# KiCad board Riptide.kicad_pcb (continued)
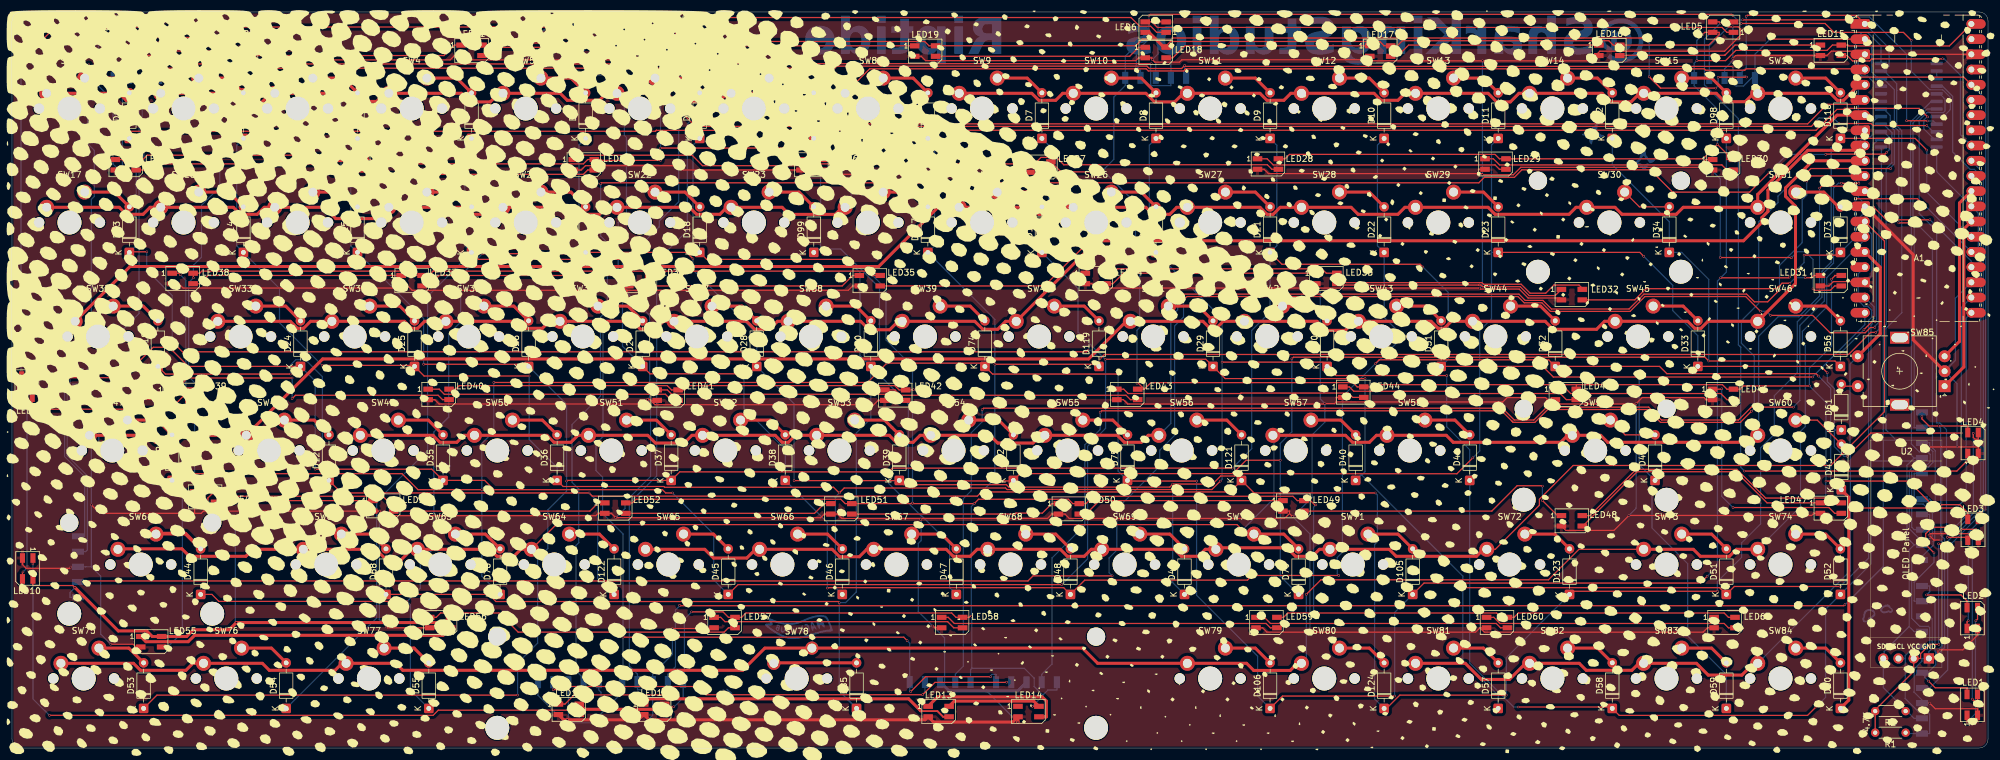
[diagram p0: board, top side]
## Routing (per net, layer and track width the routed paths; a pad name or vN(x,y) marks a point on that pad's centre or on a via; arc(x,y) is an arc through that point) (continued)
Column 9: length 365.3
  Top w0.2: v1(216.16,25.68) 218.59,28.11 256.59,28.11 261.69,33.21 SW73.1 ; A1.15 A1.15
  Top w0.5: SW73.1 280.79,33.21 281.96,32.04 286.82,32.04 287.99,33.21 SW74.1 ; SW75.1 20.29,14.16 21.46,12.99 29.05,12.99 30.22,14.16 SW76.1 41.81,14.16 42.98,12.99 53.95,12.99 55.12,14.16 SW77.1 64.09,14.16 65.26,12.99 122.02,12.99 125.73,16.7 SW78.1 178.77,16.7 181.31,14.16 SW79.1 206.18,14.16 207.37,12.97 213.47,12.97 214.66,14.16 SW80.1
  Bottom w0.2: v1(216.16,25.68) 216.16,14.98 SW80.1 ; A1.15 309.44,84.98 303.07,78.62 303.07,73.69 299,69.62 299,67.74 299.49,67.25 299.49,53.73 298.69,52.93 298.69,40.35 SW74.1
Column 10: length 141.1
  Top w0.2: A1.16 A1.16
  Top w0.5: SW81.1 242.69,14.16 245.38,11.47 250.07,11.47 252.76,14.16 SW82.1 261.74,14.16 262.91,12.99 270.52,12.99 271.69,14.16 SW83.1 281.31,14.16 283.28,12.19 288.89,12.19 290.86,14.16 SW84.1 ; SW85.S1 312,69.22 312,80.34 A1.16
  Bottom w0.2: SW85.S1 306.95,64.16 306.95,49.03 307.02,48.96 307.02,29.64 SW84.1
EN 1: length 110
  Bottom w0.2: 319.51,10.04 318.96,10.04 H1.2 319.51,10.04 ; 319.51,10.04 320.26,10.04 323.26,13.03 323.26,34.55 325.03,36.32 325.03,36.73 328.8,40.5 328.8,87.06 ; 328.8,87.06 328.79,87.07 ; 328.8,87.06 328.79,87.07 ; 328.79,87.07 328.79,95.61 327.71,96.7 327.02,96.7 324.1,99.62 324.1,108.89 322.39,110.59 U1.4
EN 2: length 97.3
  Top w0.2: v1(320.98,32.61) 319.59,34 319.59,35.8 320.67,36.89 v1(323.06,36.89)
  Bottom w0.2: U1.5 321.92,109.33 322.81,108.43 322.81,106.47 322.53,106.18 319.78,106.18 318.5,104.9 318.5,89.35 321.41,86.43 321.41,54.33 321.95,54.33 323.06,53.21 v1(323.06,36.89) ; H2.2 317.66,24.54 317.66,27.72 320.98,31.03 v1(320.98,32.61)
EN 3: length 88.9
  Bottom w0.2: U1.6 320.52,108.06 317.06,104.6 317.06,87.38 317.2,87.24 317.2,50.8 318.51,49.49 319.92,49.49 320.34,49.07 320.34,47.82 319.9,47.39 317.91,47.39 316.86,46.34 316.86,36.65 318.48,35.02 320.29,35.02 320.69,35.42 320.69,36.91 320.26,37.33 320.26,39.04 319.51,39.04 ; 319.51,39.04 H3.2 319.51,39.04
EN 4: length 57.2
  Bottom w0.2: U1.7 319.81,106.78 317.46,104.44 317.46,87.55 317.66,87.35 317.66,53.54 H4.2
EN 5: length 60.1
  Top w0.2: v1(317.18,118.28) 315.88,119.58 304.28,119.58 302.79,121.08 v1(288.78,121.08)
  Bottom w0.2: v1(317.18,118.28) 317.18,113.12 320.3,109.99 322.42,109.99 323.7,108.72 323.7,106.67 322.54,105.52 U1.8 ; H5.2 283.46,117.34 287.2,121.08 v1(288.78,121.08)
EN 6: length 157.7
  Top w0.2: v1(319.86,104.78) 319.82,104.83 v1(316.4,104.83) ; v1(289.03,121.68) 306.46,121.68 v1(306.71,121.93) ; v1(189.87,122.38) 190.09,122.6 287.19,122.6 v1(287.42,122.38)
  Bottom w0.2: v1(319.86,104.78) 320.88,104.78 U1.9 ; v1(306.71,121.93) 306.94,122.16 310.2,122.16 316.4,115.96 v1(316.4,104.83) ; v1(289.03,121.68) 288.11,121.68 v1(287.42,122.38) ; v1(189.87,122.38) 189.87,118.49 187.77,116.39 187.77,113.98 188.46,113.3 H6.2
EN 7: length 218.1
  Top w0.2: v1(111.71,106.32) 114.15,103.88 300.5,103.88 v1(301.32,104.69) ; v1(319.79,104.02) 310.8,104.02 310.46,104.35 v1(305.12,104.35)
  Bottom w0.2: H7.2 111.96,110.69 111.71,110.45 v1(111.71,106.32) ; v1(301.32,104.69) 301.32,104.85 301.76,105.29 304.18,105.29 v1(305.12,104.35) ; U1.10 320.83,102.97 v1(319.79,104.02)
EN 8: length 318.3
  Top w0.2: 305.92,106.72 306.08,106.89 ; 305.92,106.72 306.08,106.89 ; 305.92,106.72 304.77,106.72 301.28,103.23 145.29,103.23 ; 306.08,106.89 318.5,106.89 v1(319.92,105.46) ; 107.61,103.23 107.64,103.21 145.26,103.21 ; 107.61,103.23 107.44,103.07 ; 107.61,103.23 107.44,103.07 ; 107.44,103.07 19.55,103.07 v1(18.08,104.55) ; 145.26,103.21 145.29,103.23 ; 145.26,103.21 145.29,103.23
  Bottom w0.2: v1(319.92,105.46) 319.8,105.46 319.28,104.94 319.28,103.45 321.02,101.7 U1.11 ; v1(18.08,104.55) 17.27,105.35 17.27,111 16.96,111.31 H8.2
EN 9: length 343.2
  Top w0.2: v1(9.73,61.88) 18.51,61.88 23.6,66.97 27.71,66.97 28.48,66.21 179.45,66.21 v1(179.72,66.47) ; v1(181.69,65.02) 182.44,65.77 306.71,65.77 310.4,69.46 v1(311.25,69.46)
  Bottom w0.2: H9.2 9.7,57.89 9.7,61.85 v1(9.73,61.88) ; v1(311.25,69.46) 311.8,70 311.8,70.41 312.2,70.82 312.2,100.36 U1.13 ; v1(181.69,65.02) 180.24,66.47 v1(179.72,66.47)
EN 10: length 378.2
  Top w0.2: v1(293.68,72.3) 300.72,72.3 303.62,69.39 309.48,69.39 310.36,70.27 v1(311.1,70.27) ; v1(195.65,74.87) 196.22,75.45 251.5,75.45 252.55,74.4 255.49,74.4 256.92,72.97 270.22,72.97 272.7,75.45 289.52,75.45 v1(291.98,72.99) ; v1(12.3,27.75) 12.68,27.75 12.85,27.92 169.67,27.92 170.52,28.77 v1(183.73,28.77)
  Bottom w0.2: v1(293.68,72.3) 292.99,72.99 v1(291.98,72.99) ; U1.14 311.7,101.7 310.8,100.8 310.8,92.53 311.8,91.53 311.8,71.18 311.1,70.49 v1(311.1,70.27) ; v1(183.73,28.77) 183.21,29.29 183.21,31.77 184.51,33.07 184.51,39.95 191.68,47.12 191.68,49.77 194.16,52.24 194.16,70.53 195.65,72.02 v1(195.65,74.87) ; v1(12.3,27.75) H10.2
EN 11: length 311.9
  Top w0.2: v1(293.44,96.15) 290.18,92.89 277.35,92.89 273.61,96.63 252.16,96.63 250.9,95.37 245.89,95.37 244.97,94.45 98.47,94.45 v1(98.31,94.29) ; v1(302.89,99.2) 302.93,99.24 312.78,99.24 v1(313.1,99.57)
  Bottom w0.2: H11.2 95.46,11.65 94.19,12.92 94.19,33.84 94.66,34.31 94.66,43.27 93.53,44.4 93.53,54.07 98.29,58.82 98.29,72.01 99.44,73.17 99.44,84.43 98.31,85.55 v1(98.31,94.29) ; v1(313.1,99.57) 313.51,99.98 313.51,102.05 312.59,102.97 U1.15 ; v1(293.44,96.15) 296.49,99.2 v1(302.89,99.2)
EN 12: length 292.9
  Top w0.2: v1(111.5,23.85) 111.57,23.78 305.92,23.78 v1(306.1,23.97)
  Bottom w0.2: v1(111.5,23.85) 111.5,23.76 110.8,23.06 110.8,13.6 109.54,12.34 H12.2 ; v1(306.1,23.97) 306.15,23.97 312.5,30.32 312.5,70.26 312.98,70.74 312.98,96.81 313.95,97.78 313.95,102.83 312.53,104.25 U1.16
EN 13: length 244
  Top w0.2: v1(297.5,56.97) 290.47,56.97 288.31,54.81 275.48,54.81 273.33,56.97 256.3,56.97 254.14,54.81 250.88,54.81 248.9,56.79 162.27,56.79 v1(162.02,56.53) ; v1(308.43,94.37) 308.43,94.37 305.54,94.37 305.52,94.39 v1(305.52,94.39)
  Bottom w0.2: v1(308.43,94.37) 308.43,94.97 308.33,95.07 308.33,101.14 309.21,102.01 310.23,102.01 310.67,102.46 310.67,104.51 311.67,105.52 U1.17 ; v1(297.5,56.97) 297.5,57 298.57,58.08 298.57,70.62 302.67,74.72 302.67,79.51 304.2,81.04 304.2,93.57 305.02,94.39 v1(305.52,94.39) ; H13.2 157.54,12.34 158.87,13.67 158.87,41.67 160.2,43 160.2,52.69 162.02,54.51 v1(162.02,56.53)
EN 14: length 233.2
  Top w0.2: v1(299.56,95.99) 300.42,96.84 v1(313.72,96.84) ; v1(181.72,56.11) 181.96,56.35 248.77,56.35 250.48,54.65 250.71,54.41 251.04,54.41 254.31,54.41 256.47,56.57 273.16,56.57 275.32,54.41 288.62,54.41 v1(290.5,56.29) 290.44,56.35
  Bottom w0.2: v1(313.72,96.84) 313.7,96.86 313.7,96.96 314.35,97.61 314.35,103.26 313.67,103.93 313.67,105.7 312.59,106.78 U1.18 ; H14.2 171.96,12.3 173.69,14.03 173.69,31.77 179.17,37.25 179.17,50.67 181.72,53.22 v1(181.72,56.11) ; v1(299.56,95.99) 298.68,95.99 294.93,92.24 294.93,91.16 291.7,87.94 291.7,74.3 288.81,71.4 288.81,67.64 290.96,65.49 290.96,56.75 v1(290.5,56.29)
Encoder A: length 30.2
  Top w0.2: A1.27 A1.27
  Top w0.5: A1.27 325.96,86.72 325.96,63.68 SW85.A
Encoder B: length 31.4
  Top w0.2: A1.29 327.19,92.24 326.39,92.24
  Top w0.5: A1.29 326.39,92.24 325.23,91.08 325.23,67.95 SW85.B
Encoder SW 2: length 3.8
  Top w0.2: D61.2 305.81,60.47 SW85.S2
  Bottom w0.2: SW85.S2 307.35,60.47
LED Glow Data: length 34.9
  Top w0.2: v1(322.42,115.17) 310.54,115.17 310.54,115.11 310.25,114.81 307.38,114.81 306.47,115.72 LED15.3 ; A1.32 A1.32
  Bottom w0.2: v1(322.42,115.17) 322.66,115.17 325.39,112.43 325.39,102.5 A1.32
LED Indicator Data: length 97.9
  Top w0.2: v1(327.97,36.54) 325.56,36.54 v1(325.53,36.52) ; LED1.3 328.25,7.87 327.68,7.87 v1(327.38,8.17) ; A1.31 A1.31
  Bottom w0.2: v1(327.38,8.17) 327.38,35.95 v1(327.97,36.54) ; A1.31 329.21,96.14 329.21,40.2 v1(325.53,36.52)
Row 0: length 536.5
  Top w0.2: v1(22.53,82.92) 19.7,82.92 D13.1 ; D24.1 29.46,63.77 v1(26.75,66.47) ; v1(242.29,26.67) 242.42,26.8 285.17,26.8 D51.1 287.63,27 v1(305.34,27) ; v1(175.31,27.31) 121.25,27.31 D45.1 ; v1(182.56,64.97) 199.38,64.97 D29.1 202.6,61.74 v1(225.96,61.74) ; v1(50.62,46.6) 70.11,46.6 D35.1 78.94,44.72 80.48,43.18 108.62,43.18 109.17,42.62 v1(110.3,42.62) ; A1.17 A1.17
  Bottom w0.2: v1(50.62,46.6) 50.62,61.32 D24.1 ; D7.1 173.13,100.73 173.13,83.95 D19.1 178.03,76.79 178.03,69.5 v1(182.56,64.97) 182.63,64.9 182.63,53.42 179.62,50.41 179.62,31.62 v1(175.31,27.31) ; 225.41,45.62 225.29,45.62 D40.1 ; 225.41,45.62 242.29,28.73 v1(242.29,26.67) 242.29,14.7 248.2,8.79 D57.1 ; 225.41,45.62 225.96,46.17 v1(225.96,61.74) ; A1.17 308.31,79.24 308.31,74.8 309.28,73.84 309.89,73.84 310.57,73.16 310.57,71.97 310.06,71.46 310.06,31.72 v1(305.34,27) ; D1.1 20.73,100.73 20.73,83.95 D13.1 ; D45.1 117.2,28.08 117.2,35.73 v1(110.3,42.62) ; v1(22.53,82.92) 22.5,82.89 22.5,79.88 26.75,75.63 v1(26.75,66.47)
Row 1: length 516.2
  Top w0.2: v1(239.6,62.23) 239.59,62.24 221.15,62.24 D30.1 218.91,64.48 v1(202.09,64.48) ; v1(86.37,62.17) 68.82,62.17 D25.1 67.05,63.94 v1(51.81,63.94) ; v1(251.53,6.85) 267.01,6.85 D58.1 268.42,5.45 299.86,5.45 v1(301.26,6.85) ; A1.19 A1.19 ; D36.1 92.05,43.7 108.86,43.7 108.99,43.58 137.19,43.58 v1(138.15,42.62) 138.98,43.45 165.92,43.45 166.17,43.2 200.39,43.2 v1(201.8,44.61)
  Bottom w0.2: v1(86.37,62.17) 86.37,51.58 91.04,46.91 D36.1 ; D46.1 137.52,26.81 137.52,42 v1(138.15,42.62) ; v1(301.26,6.85) 302.87,8.46 302.87,23.18 D52.1 310.46,30.77 310.46,70.69 310.66,70.88 310.66,71.49 310.95,71.78 310.97,71.8 310.97,73.74 A1.19 ; v1(201.8,44.61) 202.09,44.89 v1(202.09,64.48) 202.09,71.78 D20.1 189.93,83.93 189.93,100.75 D8.1 ; v1(51.81,63.94) 44.68,71.07 44.68,76.79 D14.1 37.53,83.93 37.53,100.75 D2.1 ; v1(251.53,6.85) 250.79,6.85 243.44,14.2 D41.1 243.44,49.85 239.6,53.69 v1(239.6,62.23)
Row 2: length 566.3
  Top w0.2: v1(92.62,44.61) 92.72,44.72 D37.1 111.52,46.15 v1(146.39,46.15) 147.01,46.78 v1(203.79,46.78) ; D26.1 85.91,64.13 v1(68.75,64.13) ; A1.20 A1.20 ; v1(84.44,8.84) 24.21,8.84 D53.1 ; v1(300.7,62) 271.92,62 271.89,61.97 v1(271.74,61.97) 271.6,61.97 271.57,62 257.4,62 255.63,63.77 D31.1 ; v1(235.62,80.38) 235.17,80.83 212.08,80.83 D21.1
  Bottom w0.2: D26.1 92.62,57.43 v1(92.62,44.61) 92.62,42.92 89.49,39.79 89.49,33.37 87.78,31.67 87.78,17.54 84.44,14.19 v1(84.44,8.84) ; D59.1 286.3,12.28 279.84,18.74 279.84,30.82 273.9,36.76 273.9,44.22 D42.1 271.74,47.38 v1(271.74,61.97) ; D9.1 211.23,100.73 211.23,83.95 D21.1 210.1,72.85 207.03,69.79 207.03,50.02 v1(203.79,46.78) ; v1(235.62,80.38) 239.84,76.16 239.84,64.94 D31.1 ; D3.1 56.58,100.75 56.58,83.93 D15.1 68.75,71.77 v1(68.75,64.13) ; v1(300.7,62) 300.7,62.03 309.44,70.77 A1.20 ; D47.1 156.58,26.8 156.58,34.14 151.99,38.74 151.87,38.74 146.39,44.22 v1(146.39,46.15)
Row 3: length 565.6
  Top w0.2: v1(122.24,62.53) 106.56,62.53 D27.1 ; A1.21 A1.21 ; D16.1 77.91,81.66 v1(101.95,81.66) ; 306.75,40.75 307.39,40.11 v1(324.69,40.11) ; v1(221.57,28.83) 207.1,28.83 206.33,28.06 179.15,28.06 D48.1 175.63,26.8 136.23,26.8 v1(136.16,26.73) ; v1(301.68,62.16) 301.28,62.56 276.36,62.56 275.15,63.77 D32.1 256.61,64.88 228.33,64.88 v1(227.66,64.21)
  Top w0.5: D60.1 306.75,8.02 306.75,41.91 D43.1
  Bottom w0.2: A1.21 326.34,71.87 326.34,41.77 v1(324.69,40.11) ; v1(101.95,81.66) 101.95,67.14 D27.1 ; v1(136.16,26.73) 136.16,37.69 D38.1 129.14,49.92 122.24,56.82 v1(122.24,62.53) ; D10.1 228.03,100.75 228.03,83.93 D22.1 229.15,71.98 231.25,69.88 231.25,67.7 227.76,64.21 v1(227.66,64.21) 222.18,58.73 222.18,32.7 221.31,31.83 221.31,29.09 v1(221.57,28.83) ; v1(301.68,62.16) 301.68,62.16 303.73,60.11 303.73,44.93 D43.1 ; D4.1 75.63,100.75 75.63,83.93 D16.1 69.4,75.47 69.4,49.73 60.9,41.23 60.9,21.73 D54.1
Row 4: length 539.6
  Top w0.2: v1(78.56,82.61) 95.59,82.61 D17.1 112.66,82.82 v1(113.72,81.75) ; v1(243.96,48.5) 241.3,45.83 204.57,45.83 204.2,45.46 204.2,45.46 201.85,45.46 200.5,44.11 v1(193.85,44.11) 193.34,43.6 166.47,43.6 166.07,44.01 148.9,44.01 D39.1 148.16,44.69 v1(130.61,44.69) ; v1(65.97,24.51) 34.55,24.51 33.38,25.67 D44.1 ; D23.1 271.85,82.82 v1(272.5,82.17) ; D33.1 302.09,63.77 v1(303.16,62.7) ; v1(306.52,48.75) 310.41,52.63 v1(325.53,52.63) ; A1.22 A1.22
  Bottom w0.2: v1(306.52,48.75) 305.96,48.75 304.34,50.37 304.34,52.97 ; D11.1 247.08,100.75 247.08,82.82 ; 247.08,82.82 247.08,71.73 245.12,69.77 245.12,49.65 v1(243.96,48.5) ; 247.08,82.82 D23.1 ; 304.34,52.97 304.53,53.16 D61.1 ; 304.34,52.97 304.34,60.07 303.16,61.25 v1(303.16,62.7) ; v1(272.5,82.17) 277.35,77.31 277.35,73.09 281.54,68.9 281.54,64.22 ; 281.54,64.22 D33.1 281.54,64.22 ; D5.1 94.68,100.75 94.68,83.93 D17.1 ; v1(130.61,44.69) 130.61,57.53 D28.1 124.38,69.25 113.72,79.9 v1(113.72,81.75) ; v1(325.53,52.63) 325.53,73.6 A1.22 ; v1(78.56,82.61) 74.93,78.98 74.93,71.18 72.94,69.2 72.94,55.3 70.46,52.82 70.46,33.38 68.18,31.1 68.18,26.71 v1(65.97,24.51) 66.54,23.94 66.54,9.69 D55.1 ; D49.1 193.85,27.63 v1(193.85,44.11)
Row 5: length 519.7
  Top w0.2: v1(138.15,24.31) 137.97,24.48 80.82,24.48 79.63,25.67 D68.1 ; v1(139.43,81.66) 116.01,81.66 D18.1 ; v1(211.81,48.09) 206.1,48.09 203.87,45.86 168.38,45.86 D62.1 167.16,44.64 v1(149.7,44.64) ; v1(310.9,90.4) 313.02,88.27 v1(320.3,88.27) ; A1.24 A1.24 ; D56.1 304.44,64.67 v1(283.36,64.67) 282.72,65.31 214.02,65.31 v1(213.74,65.03) ; v1(311.16,71.28) 310.66,71.28 v1(309.27,69.89)
  Bottom w0.2: D12.1 267.25,97.48 276.77,87.95 D34.1 278.85,82.82 283.36,78.31 v1(283.36,64.67) ; 139.6,8.06 138.15,9.51 v1(138.15,24.31) 139.22,24.31 141,26.09 141,52.64 143.43,55.06 D50.1 ; 139.6,8.06 D85.1 139.6,8.06 ; v1(310.9,90.4) 310.9,86.39 311.38,85.9 311.38,71.5 v1(311.16,71.28) ; D56.1 305.35,65.97 v1(309.27,69.89) ; D6.1 113.73,100.75 113.73,83.93 D18.1 ; D50.1 141.61,65.59 141.61,79.47 v1(139.43,81.66) ; D50.1 149.7,57.49 v1(149.7,44.64) ; A1.24 327.21,81.36 326.78,81.8 326.76,81.8 326.11,82.44 326.11,82.46 v1(320.3,88.27) ; D79.1 211.81,28.72 v1(211.81,48.09) 211.81,50.9 213.74,52.83 v1(213.74,65.03)
Row 6: length 537.3
  Top w0.2: v1(230.9,8.68) 212.17,8.68 D106.1 ; v1(184.72,62.5) 163.75,62.5 D74.1 161.92,64.32 v1(146.11,64.32) 142.87,61.09 v1(80.46,61.09) ; v1(285.35,78.58) 296.74,78.58 v1(296.87,78.71) ; v1(299.27,82.37) 304.9,82.37 D73.1 ; v1(197.82,44.61) 186.39,44.61 D75.1 ; v1(283.09,28.71) 281.95,27.57 235.82,27.57 D105.1 ; v1(78.47,43.17) 67.81,43.17 65.13,45.85 27.87,45.85 D102.1 ; v1(319.51,90.51) 318.23,91.79 v1(307.87,91.79) ; A1.25 A1.25
  Bottom w0.2: D97.1 135.03,100.73 135.03,83.38 ; 135.03,83.38 134.47,83.38 D99.1 ; 135.03,83.38 138.41,83.38 144.88,76.91 144.88,65.55 v1(146.11,64.32) ; v1(80.46,61.09) 80.46,52.91 78.47,50.92 v1(78.47,43.17) 78.47,28.71 D76.1 ; D75.1 184.72,46.29 v1(184.72,62.5) ; D105.1 230.9,22.66 v1(230.9,8.68) ; v1(296.87,78.71) 299.27,81.12 v1(299.27,82.37) ; v1(319.51,90.51) 319.61,90.51 A1.25 ; v1(307.87,91.79) 307.87,85.34 D73.1 ; v1(283.09,28.71) 284.81,30.43 284.81,78.04 v1(285.35,78.58) 286.3,79.53 D98.1 ; D106.1 208.02,8.7 208.02,15.34 197.82,25.53 v1(197.82,44.61)
Row 7: length 550.5
  Top w0.2: D118.1 25.63,62.5 v1(46.51,62.5) ; v1(284.8,26.2) 260.63,26.2 D123.1 ; v1(227.66,42.62) 207.43,42.62 D121.1 203.42,42.8 162.13,42.8 v1(162.02,42.91) 161.21,42.09 96.91,42.09 v1(96.38,42.62) 55.03,42.62 D120.1 ; D119.1 181.16,64.13 v1(164.14,64.13) ; A1.26 A1.26 ; D124.1 229.55,6.62 231.77,8.84 v1(249.55,8.84) ; v1(319.78,99.92) 317.84,101.87 D116.1
  Bottom w0.2: D124.1 227.56,8.21 227.56,34.01 228.02,34.47 228.02,42.27 v1(227.66,42.62) ; D120.1 51.84,45.82 51.84,62.06 49,64.89 47.4,64.89 46.51,64 v1(46.51,62.5) ; v1(162.02,42.91) 164.14,45.03 v1(164.14,64.13) 164.14,71.63 D117.1 154.08,83.95 154.08,100.73 D115.1 ; D123.1 249.55,15.11 v1(249.55,8.84) ; A1.26 319.78,92.87 v1(319.78,99.92) ; D116.1 303.8,100.31 303.8,81.2 302.27,79.67 302.27,75.34 298.15,71.22 298.15,62.72 294.3,58.87 294.3,52.43 292.01,50.15 292.01,37.45 288.85,34.28 288.85,31.86 284.8,27.81 v1(284.8,26.2) ; v1(96.38,42.62) 97.81,41.19 97.81,28.42 D122.1
SCL: length 754.1
  Top w0.2: v1(163.42,11.91) 152.57,11.91 v1(150.08,9.42) ; v1(149.49,17.96) 148.93,18.52 v1(102.05,18.52) ; v1(315.1,87.76) v1(317.97,87.76) ; v1(287.43,113.81) 287.33,113.91 195.99,113.91 v1(195.84,114.06) 195.33,113.55 189.93,113.55 189.53,113.95 137.75,113.95 137.41,113.61 v1(117.68,113.61) v1(104.42,113.61) 24.84,113.61 v1(24.77,113.69) 24.69,113.61 13.4,113.61 v1(12.83,114.18) ; v1(293.6,118.46) A1.2 A1.2
  Bottom w0.2: 318.31,31.42 317.66,31.42 317.26,31.02 317.26,21.68 318.61,20.33 320.06,20.33 320.26,20.12 320.26,16.92 H2.5 317.66,16.92 316.17,15.43 316.17,14.97 ; 318.31,31.42 318.39,31.42 ; 318.31,31.42 318.39,31.42 ; v1(24.77,113.69) 24.58,113.5 H8.5 ; 10.44,65.51 11.28,66.35 11.28,69.39 13.25,71.36 13.25,91.68 13.75,92.18 13.75,99.88 12.63,101 12.63,108.56 10.58,110.61 10.58,112.59 12.17,114.18 v1(12.83,114.18) ; 10.44,65.51 9.7,65.51 8.78,64.59 8.78,48.71 12.14,45.35 12.14,35.37 H10.5 ; 10.44,65.51 H9.5 ; 320.32,39.63 319.18,40.77 317.84,40.77 317.66,40.95 317.66,45.92 H4.5 ; 320.32,39.63 320.69,39.26 320.69,37.68 321.09,37.27 321.09,34.76 320.84,34.5 320.84,33.87 318.39,31.42 ; 320.32,39.63 321.18,40.49 321.18,49.7 320.78,50.1 320.78,50.11 320.72,50.16 320.72,85 v1(317.97,87.76) ; A1.2 310.57,117.33 310.57,112.98 311.69,111.87 U1.22 312.52,111.87 313.19,111.2 313.19,111.2 313.45,110.94 313.45,110.93 314.36,110.03 314.36,103.81 315.1,103.07 315.1,87.76 v1(315.1,87.76) ; 318.2,2.77 318.55,2.42 H1.5 ; H11.5 87.84,8.81 92.45,4.2 96.84,4.2 101.92,9.29 H12.5 101.92,12.34 102.05,12.47 v1(102.05,18.52) 102.05,35.77 98.63,39.18 98.63,45.27 97.52,46.37 97.52,50.86 98.69,52.03 98.69,70.28 101.24,72.82 101.24,87.82 102.62,89.2 102.62,102.03 102.27,102.38 102.27,107.99 104.42,110.14 v1(104.42,113.61) ; v1(149.49,17.96) 149.92,17.53 H13.5 149.92,9.59 v1(150.08,9.42) ; R1.1 316.39,2.42 H1.5 ; 318.39,31.42 H3.5 318.39,31.42 ; H5.5 291.08,112.61 ; 291.08,112.61 291.08,115.94 v1(293.6,118.46) ; 291.08,112.61 291.08,112.53 289.16,110.61 287.92,110.61 287.43,111.11 v1(287.43,113.81) ; H7.5 119.58,113.3 117.99,113.3 v1(117.68,113.61) ; 316.17,14.97 316.17,8.29 318.49,5.97 319.92,5.97 320.26,5.62 320.26,2.42 H1.5 ; 316.17,14.97 U2.3 ; v1(163.42,11.91) 163.42,12.07 163.65,12.3 164.34,12.3 H14.5 ; v1(195.84,114.06) 195.84,113.54 196.08,113.3 H6.5
SDA: length 747.6
  Top w0.2: v1(193.85,118.65) 273.11,118.65 ; 273.11,118.65 v1(273.42,118.35) ; 273.11,118.65 v1(273.42,118.35) ; 273.11,118.65 v1(273.42,118.35) ; v1(289.67,112.12) 289.64,112.1 v1(284.93,112.1) ; 275.31,110.28 v1(273.42,112.18) ; 275.31,110.28 v1(273.42,112.18) ; 275.31,110.28 v1(284.54,110.28) ; 275.31,110.28 v1(273.42,112.18) ; A1.1 A1.1 307.99,122.44 289.77,122.44 v1(289.62,122.29) ; v1(190.26,114.35) 190.25,114.36 116.32,114.36 v1(116.27,114.31) 22.45,114.31 v1(22.27,114.13) ; v1(166.1,11) 166.07,10.97 154.13,10.97 v1(152.07,8.91) 115.9,8.91 114.52,10.28 v1(105.39,10.28) 91.85,10.28 91.33,9.77 v1(90.38,9.77)
  Bottom w0.2: 315.37,103.38 315.6,103.14 315.6,72.74 312.95,70.09 312.95,53.17 317.66,48.46 ; 315.37,103.38 315.32,103.42 ; 315.37,103.38 315.32,103.42 ; v1(284.93,112.1) 284.93,110.67 v1(284.54,110.28) ; 315.32,103.42 314.76,103.98 314.76,109.86 314.76,109.86 314.76,111.01 312.64,113.14 ; v1(152.07,8.91) 152.46,9.3 H13.4 ; 318.31,4.96 H1.4 318.31,4.96 ; 318.31,4.96 317.66,4.96 316.35,6.27 ; A1.1 313.48,116.95 313.48,113.98 312.64,113.14 ; 312.64,113.14 U1.23 ; H2.4 317.66,19.46 316.83,20.29 ; v1(166.1,11) H14.4 ; 316.35,6.27 312.5,10.12 U2.4 312.65,15.12 312.65,16.12 316.83,20.29 ; 316.35,6.27 R2.1 ; v1(273.42,112.18) v1(273.42,118.35) ; v1(289.67,112.12) 289.5,112.29 288.54,112.29 ; v1(116.27,114.31) 116.27,114.07 117.04,113.3 H7.4 117.04,108.55 112.78,104.29 112.78,86.46 107.67,81.34 107.67,45.47 103.1,40.9 103.1,13.7 104.46,12.34 H12.4 104.46,9.74 105.12,9.74 105.39,10.01 v1(105.39,10.28) ; H4.4 317.66,48.46 ; 317.66,48.46 316.46,47.25 316.46,35.16 317.66,33.96 ; 288.54,112.29 288.54,112.61 289.62,113.69 v1(289.62,122.29) ; 288.54,112.29 H5.4 ; H3.4 317.66,33.96 ; 317.66,33.96 316.83,33.13 316.83,20.29 ; v1(90.38,9.77) H11.4 ; v1(193.85,118.65) 193.54,118.34 H6.4 193.54,110.69 190.31,110.69 190.16,110.85 190.16,114.25 v1(190.26,114.35) ; v1(22.27,114.13) 22.04,113.9 H8.4 22.04,110.66 21.23,109.85 21.23,72.62 18.02,69.41 18.02,68.68 12.31,62.97 H9.4 9.9,62.97 9.22,62.28 9.22,48.84 12.58,45.48 12.58,33.1 12.31,32.83 H10.4
Net-(D1-A): length 8.5
  Top w0.5: D1.2 17.14,111.95 SW1.2
Net-(D2-A): length 8.5
  Top w0.5: D2.2 36.19,111.95 SW2.2
Net-(D3-A): length 8.5
  Top w0.5: SW3.2 55.24,111.95 D3.2
Net-(D4-A): length 8.5
  Top w0.5: D4.2 74.29,111.95 SW4.2
Net-(D5-A): length 8.5
  Top w0.5: D5.2 93.34,111.95 SW5.2
Net-(D6-A): length 8.5
  Top w0.5: D6.2 112.39,111.95 SW6.2
Net-(D7-A): length 8.5
  Top w0.5: SW9.2 169.54,111.95 D7.2
Net-(D8-A): length 8.5
  Top w0.5: SW10.2 188.59,111.95 D8.2
Net-(D9-A): length 8.5
  Top w0.5: SW11.2 207.64,111.95 D9.2
Net-(D10-A): length 8.5
  Top w0.5: D10.2 226.69,111.95 SW12.2
Net-(D11-A): length 8.5
  Top w0.5: D11.2 245.74,111.95 SW13.2
Net-(D12-A): length 8.5
  Top w0.5: D12.2 264.79,111.95 SW14.2
Net-(D13-A): length 8.5
  Top w0.5: D13.2 17.14,92.9 SW17.2
Net-(D14-A): length 8.5
  Top w0.5: SW18.2 36.19,92.9 D14.2
Net-(D15-A): length 8.5
  Top w0.5: D15.2 55.24,92.9 SW19.2
Net-(D16-A): length 8.5
  Top w0.5: SW20.2 74.29,92.9 D16.2
Net-(D17-A): length 8.5
  Top w0.5: SW21.2 93.34,92.9 D17.2
Net-(D18-A): length 8.5
  Top w0.5: D18.2 112.39,92.9 SW22.2
Net-(D19-A): length 8.5
  Top w0.5: SW25.2 169.54,92.9 D19.2
Net-(D20-A): length 8.5
  Top w0.5: D20.2 188.59,92.9 SW26.2
Net-(D21-A): length 8.5
  Top w0.5: SW27.2 207.64,92.9 D21.2
Net-(D22-A): length 8.5
  Top w0.5: SW28.2 226.69,92.9 D22.2
Net-(D23-A): length 8.5
  Top w0.5: SW29.2 245.74,92.9 D23.2
Net-(D24-A): length 8.5
  Top w0.5: SW33.2 45.72,73.85 D24.2
Net-(D25-A): length 8.5
  Top w0.5: SW34.2 64.77,73.85 D25.2
Net-(D26-A): length 8.5
  Top w0.5: D26.2 83.81,73.85 SW35.2
Net-(D27-A): length 8.5
  Top w0.5: D27.2 102.87,73.85 97.86,73.85
Net-(D28-A): length 8.5
  Top w0.5: D28.2 121.91,73.85 SW37.2
Net-(D29-A): length 8.5
  Top w0.5: 193.12,73.85 198.12,73.85 D29.2
Net-(D30-A): length 8.5
  Top w0.5: SW42.2 217.16,73.85 D30.2
Net-(D31-A): length 8.5
  Top w0.5: D31.2 236.21,73.85 231.21,73.85
Net-(D32-A): length 8.5
  Top w0.5: 250.26,73.85 255.26,73.85 D32.2
Net-(D33-A): length 10.2
  Top w0.2: 280.31,72.62 D33.2
  Top w0.5: SW45.2 279.08,73.85 D33.2
Net-(D34-A): length 8.5
  Top w0.2: SW30.2 271.77,90.44 D34.2
Net-(D35-A): length 8.5
  Top w0.5: SW49.2 69.53,54.8 D35.2
Net-(D36-A): length 10.2
  Top w0.2: 89.81,53.57 D36.2
  Top w0.5: SW50.2 88.58,54.8 D36.2
Net-(D37-A): length 10.2
  Top w0.2: 108.86,53.57 D37.2
  Top w0.5: D37.2 107.63,54.8 SW51.2
Net-(D38-A): length 8.5
  Top w0.5: SW52.2 126.68,54.8 D38.2
Net-(D39-A): length 10.2
  Top w0.2: 146.96,53.57 D39.2
  Top w0.5: D39.2 145.73,54.8 SW53.2
Net-(D40-A): length 8.5
  Top w0.5: D40.2 221.93,54.8 SW57.2
Net-(D41-A): length 8.5
  Top w0.5: SW58.2 240.98,54.8 D41.2
Net-(D42-A): length 8.5
  Top w0.2: D42.2 269.39,52.34 SW59.2
Net-(D43-A): length 9.3
  Top w0.2: SW60.2 301.48,54.8 D43.2
Net-(D44-A): length 9
  Top w0.2: 24.04,35.65 24.05,35.65 SW61.2
  Top w0.5: 24.32,35.37 24.04,35.65
  Top w0.6: D44.2 28.97,35.83 24.04,35.83
Net-(D45-A): length 8.5
  Top w0.5: D45.2 117.15,35.75 SW65.2
Net-(D46-A): length 8.5
  Top w0.5: SW66.2 136.2,35.75 D46.2
Net-(D47-A): length 8.5
  Top w0.5: D47.2 155.25,35.75 SW67.2
Net-(D48-A): length 8.5
  Top w0.5: D48.2 174.3,35.75 SW68.2
Net-(D49-A): length 10.2
  Top w0.2: 194.58,34.52 D49.2
  Top w0.5: SW69.2 193.35,35.75 D49.2
Net-(D50-A): length 8.5
  Top w0.5: D50.2 140.97,73.85 SW38.2
Net-(D51-A): length 8.5
  Top w0.5: D51.2 283.84,35.75 SW73.2
Net-(D52-A): length 8.5
  Top w0.5: SW74.2 302.89,35.75 D52.2
Net-(D53-A): length 8.5
  Top w0.5: D53.2 19.52,16.7 SW75.2
Net-(D54-A): length 8.5
  Top w0.5: D54.2 43.33,16.7 SW76.2
Net-(D55-A): length 8.5
  Top w0.5: D55.2 67.15,16.7 SW77.2
Net-(D56-A): length 8.5
  Top w0.5: SW46.2 302.89,73.85 D56.2
Net-(D57-A): length 8.5
  Top w0.5: D57.2 245.74,16.7 SW81.2
Net-(D58-A): length 8.5
  Top w0.5: SW82.2 264.79,16.7 D58.2
Net-(D59-A): length 8.5
  Top w0.5: SW83.2 283.84,16.7 D59.2
Net-(D60-A): length 8.5
  Top w0.5: D60.2 302.89,16.7 SW84.2
Net-(D62-A): length 10.2
  Top w0.2: 166.01,53.57 D62.2
  Top w0.5: D62.2 164.78,54.8 SW54.2
Net-(D68-A): length 8.5
  Top w0.5: SW62.2 60,35.75 D68.2
Net-(D73-A): length 8.5
  Top w0.5: D73.2 305.03,90.44 302.57,92.9 SW31.2
Net-(D74-A): length 8.5
  Top w0.5: SW39.2 160.01,73.85 D74.2
Net-(D75-A): length 10.2
  Top w0.2: 185.06,53.57 D75.2
  Top w0.5: D75.2 183.83,54.8 SW55.2
Net-(D76-A): length 8.5
  Top w0.5: SW63.2 79.05,35.75 D76.2
Net-(D79-A): length 8.5
  Top w0.5: SW70.2 212.4,35.75 D79.2
Net-(D85-A): length 13.9
  Top w0.2: 127.24,14.16 127.24,14.16 SW78.2 127.24,14.16
  Top w0.5: D85.2 127.31,14.24 SW78.2
Net-(D97-A): length 8.5
  Top w0.5: SW7.2 131.44,111.95 D97.2
Net-(D98-A): length 8.5
  Top w0.5: SW15.2 283.84,111.95 D98.2
Net-(D99-A): length 8.5
  Top w0.5: SW23.2 131.44,92.9 D99.2
Net-(D102-A): length 8.5
  Top w0.5: D102.2 24.28,54.8 SW47.2
Net-(D105-A): length 8.5
  Top w0.5: SW71.2 231.45,35.75 D105.2
Net-(D106-A): length 8.5
  Top w0.5: D106.2 207.64,16.7 SW79.2
Net-(D115-A): length 8.5
  Top w0.5: D115.2 150.49,111.95 SW8.2
Net-(D116-A): length 8.5
  Top w0.5: D116.2 302.89,111.95 SW16.2
Net-(D117-A): length 8.5
  Top w0.5: SW24.2 150.49,92.9 D117.2
Net-(D118-A): length 8.5
  Top w0.5: SW32.2 21.9,73.85 D118.2
Net-(D119-A): length 8.5
  Top w0.5: SW40.2 179.06,73.85 D119.2
Net-(D120-A): length 8.5
  Top w0.5: D120.2 50.48,54.8 SW48.2
Net-(D121-A): length 8.5
  Top w0.5: SW56.2 202.88,54.8 D121.2
Net-(D122-A): length 8.5
  Top w0.5: SW64.2 98.1,35.75 D122.2
Net-(D123-A): length 8.5
  Top w0.5: SW72.2 257.65,35.75 D123.2
Net-(D124-A): length 8.5
  Top w0.5: D124.2 226.69,16.7 SW80.2
Net-(LED1-DOUT): length 20.9
  Top w0.2: v1(327.97,21.26) 328.25,21.54 LED2.3 ; v1(326.5,4.37) LED1.1
  Bottom w0.2: v1(326.5,4.37) 327.9,5.77 327.9,21.19 v1(327.97,21.26)
Net-(LED2-DOUT): length 22.5
  Top w0.2: LED2.1 326.5,21.07 326.51,21.07 v1(326.7,21.26) ; LED3.3 328.38,39.32 328.95,39.32 329.46,38.82 v1(329.46,38.77)
  Bottom w0.2: v1(329.46,38.77) 326.7,36.01 v1(326.7,21.26)
Net-(LED3-DOUT): length 25.6
  Top w0.2: LED4.3 328.38,51.62 327.82,51.62 327.54,51.89 v1(327.54,52.6) ; v1(323.2,35.21) 326.13,35.21 LED3.1
  Bottom w0.2: v1(323.2,35.21) 323.2,35.64 327.54,39.97 v1(327.54,52.6)
Net-(LED4-DOUT): length 119.5
  Top w0.2: v1(289.33,46.29) 324.8,46.29 326.62,48.12 LED4.1 ; v1(285.33,121.14) 285.3,121.14 285.1,121.34 LED5.3
  Bottom w0.2: v1(285.33,121.14) 282.65,118.46 282.65,110.84 288.31,105.18 288.31,67.38 288.54,67.14 ; 288.71,66.97 288.71,46.91 v1(289.33,46.29) ; 288.71,66.97 288.54,67.14 ; 288.71,66.97 288.54,67.14
Net-(LED5-DOUT): length 99
  Top w0.2: LED6.3 190.35,121.34 191.28,120.42 285.57,120.42 286.4,119.59 LED5.1
Net-(LED6-DOUT): length 81.3
  Top w0.2: LED6.1 191.18,119.59 190.15,120.62 188.32,120.62 186.87,122.07 114.58,122.07 113.85,121.34 LED7.3
Net-(LED7-DOUT): length 99.5
  Top w0.2: LED8.3 18.6,121.22 19.33,120.49 108.7,120.49 108.85,120.64 111.8,120.64 112.12,120.32 114.42,120.32 115.15,119.59 LED7.1
Net-(LED8-DOUT): length 78.2
  Top w0.2: v1(1.5,60.26) 1.5,59.87 1.62,59.75 LED9.3 ; LED8.1 19.6,119.47 18.86,120.21 6.94,120.21 v1(4.87,118.14)
  Bottom w0.2: v1(4.87,118.14) 1.5,114.76 v1(1.5,60.26)
Net-(LED10-DIN): length 37.1
  Top w0.2: LED9.1 3.38,63.25 2.78,63.25 2.5,62.97 v1(2.5,62.5) ; LED10.3 1.75,29.34 v1(1.84,29.43)
  Bottom w0.2: v1(2.5,62.5) 2.5,30.09 v1(1.84,29.43)
Net-(LED10-DOUT): length 116.6
  Top w0.2: v1(6.26,5.47) 70.34,5.47 71.19,6.32 92.92,6.32 93.65,5.59 LED11.3 ; v1(3.5,30.77) LED10.1
  Bottom w0.2: v1(3.5,30.77) 3.5,8.23 v1(6.26,5.47)
Net-(LED11-DOUT): length 23.7
  Top w0.2: v1(110,5.59) LED12.3 ; v1(110,8.88) 93.89,8.88 92.35,7.34 LED11.1
  Bottom w0.2: v1(110,8.88) v1(110,5.59)
Net-(LED12-DOUT): length 52.6
  Top w0.3: LED13.3 155.5,5.22 154.55,6.17 151.8,6.17 151.73,6.24
  Top w0.5: LED12.1 106.38,8.22 149.75,8.22 151.75,6.22
Net-(LED13-DOUT): length 24.6
  Top w0.5: LED13.1 154.58,8.54 172.05,8.54 172.75,7.84 172.75,5.22 172.75,5.22 LED14.3
Net-(LED15-DOUT): length 34.4
  Top w0.2: LED15.1 300.9,117.47 300.9,117.47 287.74,117.47 286.16,115.88 ; LED16.3 269.6,115.72 269.65,115.77 286.04,115.77 ; 286.16,115.88 286.04,115.77 ; 286.16,115.88 286.04,115.77
Net-(LED16-DOUT): length 35.5
  Top w0.2: LED17.3 231.35,115.59 233.23,117.47 LED16.1
Net-(LED17-DOUT): length 34.8
  Top w0.2: LED18.3 193.85,115.34 195.85,117.34 LED17.1
Net-(LED18-DOUT): length 35.6
  Top w0.2: LED18.1 188.15,117.09 186.65,115.59 LED19.3
Net-(LED19-DOUT): length 35.6
  Top w0.2: 119.54,115.51 119.38,115.34 ; 119.54,115.51 119.38,115.34 ; 119.54,115.51 121.38,117.34 LED19.1 ; 119.38,115.34 117.35,115.34 LED20.3
Net-(LED20-DOUT): length 34.8
  Top w0.2: LED20.1 80.98,117.09 79.6,115.72 LED21.3
Net-(LED21-DOUT): length 35.7
  Top w0.2: LED22.3 72.15,115.72 73.9,117.47 LED21.1
Net-(LED22-DOUT): length 36.7
  Top w0.2: LED22.1 35.4,117.47 34.41,116.48 v1(24,116.48) ; v1(22.78,96.28) 22.46,96.59 LED23.3
  Bottom w0.2: 21.73,103.6 21.73,109.26 22.85,110.38 22.85,115.33 v1(24,116.48) ; 21.73,103.6 21.8,103.54 ; 21.73,103.6 21.8,103.54 ; 21.8,103.54 22.03,103.31 22.03,97.02 v1(22.78,96.28)
Net-(LED23-DOUT): length 42.8
  Top w0.2: LED23.1 18.35,98.34 19.08,97.62 51.78,97.62 53.53,95.87 56.92,95.87 57.65,96.59 LED24.3
Net-(LED24-DOUT): length 43.3
  Top w0.2: LED24.1 56.35,98.34 57.08,97.62 59.38,97.62 61.13,95.87 95.42,95.87 96.15,96.59 LED25.3
Net-(LED25-DOUT): length 42.8
  Top w0.2: LED26.3 134.04,96.59 133.31,97.32 132.68,97.32 132.68,97.32 115.32,97.32 113.57,99.07 95.58,99.07 94.85,98.34 LED25.1
Net-(LED26-DOUT): length 42.6
  Top w0.2: LED26.1 132.85,98.34 133.58,97.62 168.7,97.62 169.37,96.94 171.67,96.94 172.4,96.22 LED27.3
Net-(LED27-DOUT): length 42.6
  Top w0.2: LED28.3 210.4,96.72 209.65,97.47 175.65,97.47 174.43,98.69 171.83,98.69 171.1,97.97 LED27.1
Net-(LED28-DOUT): length 42.2
  Top w0.2: LED29.3 248.4,96.72 247.67,97.44 210.62,97.44 209.6,98.47 LED28.1
Net-(LED29-DOUT): length 42.3
  Top w0.2: LED30.3 286.4,96.59 285.55,97.44 248.42,97.44 247.39,98.47 LED29.1
Net-(LED30-DOUT): length 45.4
  Top w0.2: v1(285.3,81.97) 297.03,81.97 297.07,81.93 v1(297.15,81.93) ; LED31.3 304.4,77.22 303.67,76.49 301.01,76.49 v1(300.77,76.73) ; LED30.1 282.9,98.34 282.51,97.96 v1(282.44,97.96)
  Bottom w0.2: v1(300.77,76.73) 300.77,81.64 299.49,82.93 298.15,82.93 v1(297.15,81.93) ; v1(282.44,97.96) 285.28,95.12 285.28,81.99 v1(285.3,81.97)
Net-(LED31-DOUT): length 41.4
  Top w0.2: v1(296.91,77.67) 295.61,77.67 294.97,77.03 294.96,77.03 294.7,76.77 272.9,76.77 272.38,76.25 272.37,76.25 271.01,74.89 LED32.3 ; LED31.1 300.9,78.97 300.52,78.59 v1(299.47,78.59)
  Bottom w0.2: v1(299.47,78.59) 297.82,78.59 v1(296.91,77.67)
Net-(LED32-DOUT): length 38.8
  Top w0.2: LED33.3 221.47,77.37 244.9,77.37 245.31,77.37 245.58,77.1 251.87,77.1 253.37,75.6 257.65,75.6 257.65,75.62 257.73,75.62 LED32.1
Net-(LED33-DOUT): length 35.7
  Top w0.2: LED34.3 183.85,77.59 185.6,79.34 LED33.1
Net-(LED34-DOUT): length 43.2
  Top w0.2: LED34.1 179.38,79.48 v1(179.38,80.08) ; LED35.3 172.41,77.22 v1(179.74,84.54)
  Bottom w0.2: v1(179.38,80.08) 179.74,80.43 v1(179.74,84.54)
Net-(LED35-DOUT): length 35.7
  Top w0.2: LED36.3 138.65,77.22 140.4,78.97 LED35.1
Net-(LED36-DOUT): length 35.2
  Top w0.2: LED37.3 69.6,77.22 71.35,78.97 LED36.1
Net-(LED37-DOUT): length 35.3
  Top w0.2: LED37.1 32.73,78.97 31.35,77.59 LED38.3
Net-(LED38-DOUT): length 23.1
  Top w0.2: v1(29.14,58.97) 29.14,58.7 LED39.3 ; v1(28.11,79.08) 27.85,79.34 LED38.1
  Bottom w0.2: v1(28.11,79.08) 29.04,78.16 29.04,59.07 v1(29.14,58.97)
Net-(LED39-DOUT): length 51.6
  Top w0.2: v1(46.78,58.39) 47.34,58.94 71.17,58.94 71.9,58.22 LED40.3 ; v1(46.78,61.84) 29.35,61.84 27.35,59.84 LED39.1
  Bottom w0.2: v1(46.78,58.39) v1(46.78,61.84)
Net-(LED40-DOUT): length 42.5
  Top w0.2: LED41.3 110.15,58.09 109.13,59.11 72.2,59.11 71.35,59.97 LED40.1
Net-(LED41-DOUT): length 42.2
  Top w0.2: LED42.3 148.15,58.09 147.13,59.11 110.18,59.11 109.45,59.84 LED41.1
Net-(LED42-DOUT): length 42.9
  Top w0.2: LED42.1 147.45,59.84 148.35,58.94 186.06,58.94 186.79,58.22 LED43.3
Net-(LED43-DOUT): length 41.9
  Top w0.2: LED44.3 223.9,58.59 223.17,59.32 205.24,59.32 205.16,59.24 186.39,59.24 185.66,59.97 LED43.1
Net-(LED44-DOUT): length 39.9
  Top w0.2: LED44.1 223.35,60.34 224.08,59.62 240.37,59.62 240.74,59.24 258.56,59.24 259.58,58.22 LED45.3
Net-(LED45-DOUT): length 30.5
  Top w0.2: LED46.3 286.4,58.22 285.38,59.24 260.3,59.24 259.57,59.97 LED45.1
Net-(LED46-DOUT): length 40.7
  Top w0.2: v1(287.41,40.18) 303.43,40.18 304.4,39.22 LED47.3 ; LED46.1 285.47,59.97 v1(285.54,60.03)
  Bottom w0.2: v1(285.54,60.03) 285.54,42.06 v1(287.41,40.18)
Net-(LED47-DOUT): length 45.7
  Top w0.2: LED48.3 262.33,37.09 271.4,46.17 287.9,46.17 293.1,40.97 LED47.1
Net-(LED48-DOUT): length 48.2
  Top w0.2: LED48.1 258.11,38.84 v1(255.58,41.37) ; v1(255.58,43.77) 255.52,43.83 251.36,43.83 247.12,39.59 LED49.3
  Bottom w0.2: v1(255.58,43.77) v1(255.58,41.37)
Net-(LED49-DOUT): length 34.9
  Top w0.2: LED49.1 181.6,41.34 179.35,39.09 LED50.3
Net-(LED50-DOUT): length 35.5
  Top w0.2: 167.66,39.26 167.5,39.09 ; 167.66,39.26 172.06,39.26 173.65,40.84 LED50.1 ; 167.66,39.26 167.5,39.09 ; 167.5,39.09 LED51.3
Net-(LED51-DOUT): length 34.9
  Top w0.2: LED51.1 135.65,40.84 134.02,39.22 LED52.3
Net-(LED52-DOUT): length 35.8
  Top w0.2: LED53.3 96.52,39.59 97.9,40.97 LED52.1
Net-(LED53-DOUT): length 26.4
  Top w0.2: LED54.3 36.98,41.09 37.23,41.34 LED53.1
Net-(LED54-DOUT): length 29.5
  Top w0.2: LED55.3 25.08,16.97 v1(26.1,16.97) ; v1(29.3,42.77) 29.38,42.84 LED54.1
  Bottom w0.2: v1(26.1,16.97) 28.46,19.32 28.46,41.92 v1(29.3,42.77)
Net-(LED55-DOUT): length 53.1
  Top w0.5: LED55.1 22.38,17.77 29.43,17.77 30.5,18.84 72,18.84 LED56.3
Net-(LED56-DOUT): length 52.9
  Top w0.2: LED56.1 70.85,21.84 71.58,22.57 81.34,22.57 84.54,19.37 118.92,19.37 119.65,20.09 LED57.3
Net-(LED57-DOUT): length 42.2
  Top w0.2: LED58.3 157.28,20.09 156.25,21.12 119.08,21.12 118.35,21.84 LED57.1
Net-(LED58-DOUT): length 56.7
  Top w0.2: LED58.1 156.35,21.84 157.38,20.82 209.42,20.82 210.15,20.09 LED59.3
Net-(LED59-DOUT): length 42.7
  Top w0.2: LED59.1 209.14,21.84 210.16,20.82 247.86,20.82 248.59,20.09 LED60.3
Net-(LED60-DOUT): length 42.2
  Top w0.2: LED61.3 286.65,20.09 285.92,20.82 248.49,20.82 247.46,21.84 LED60.1

## Copper pours and planes (outline as drawn; the poured copper is in the pictures)
GND on Top, Bottom: 0,-0.03 0,122.97 330,122.97 330,-0.03

## Text on the board
Bottom: Riptide | @SharKingStudios
B.Mask: Riptide | @SharKingStudios
